# Altium PCB foxbms2-master.PcbDoc (part 1 of 11) (continued)
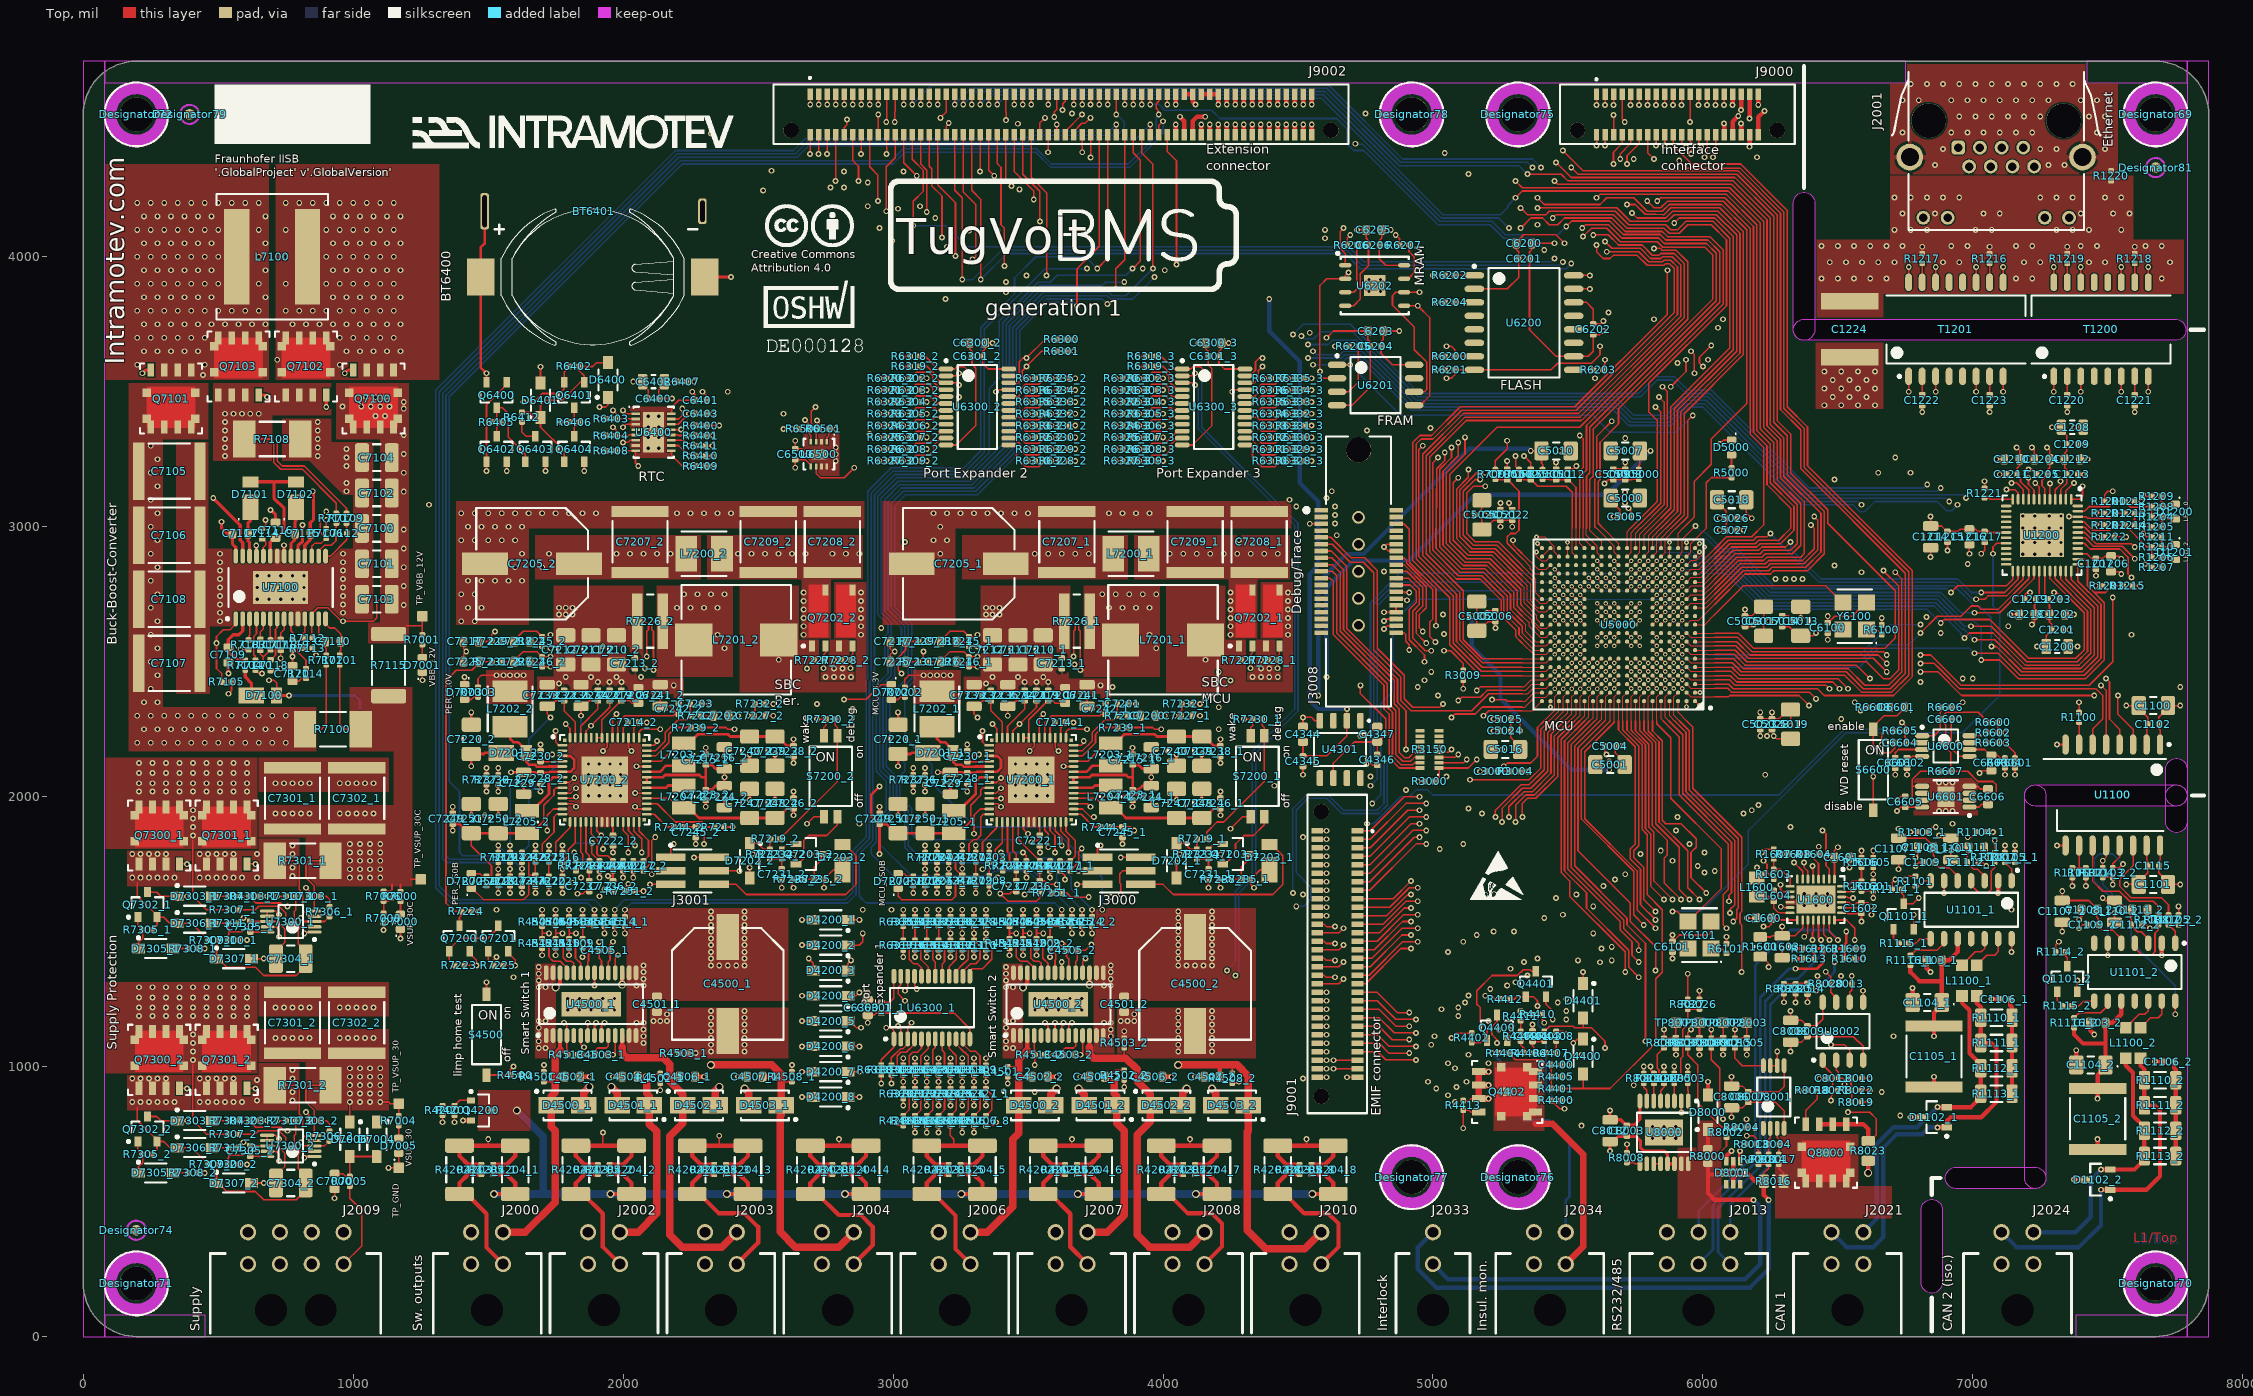
[diagram p0: Top view]
## Design rules (kind name [scope] priority, off if disabled: settings) (continued)
RoomDefinition smart-switches [InComponentClass('smart-switches')] p18: confinementstyle=ConfineIn formatcopy=TRUE lockcomponents=FALSE outline 1300,925 1662.5,925 1662.5,1331.25 1300,1331.25
RoomDefinition smart-switch2 [InComponentClass('smart-switch2')] p19: confinementstyle=ConfineIn formatcopy=TRUE lockcomponents=FALSE outline 3393.75,787.5 4381.25,787.5 4381.25,1593.75 3393.75,1593.75
RoomDefinition sensor-hum-temp [InComponentClass('sensor-hum-temp')] p20: confinementstyle=ConfineIn formatcopy=TRUE lockcomponents=FALSE outline 2800,3406.25 2612.5,3406.25 2612.5,3187.5 2800,3187.5
RoomDefinition rs232-rs485-transceiver [InComponentClass('rs232-rs485-transceiver')] p21: confinementstyle=ConfineIn formatcopy=TRUE lockcomponents=FALSE outline 6656.25,1831.25 6150,1831.25 6150,1375 6656.25,1375
RoomDefinition port-expanders [InComponentClass('port-expanders')] p22: confinementstyle=ConfineIn formatcopy=TRUE lockcomponents=FALSE outline 3687.5,3625 3687.5,3718.75 3562.5,3718.75 3562.5,3625
RoomDefinition port-expander3 [InComponentClass('port-expander3')] p23: confinementstyle=ConfineIn formatcopy=TRUE lockcomponents=FALSE outline 3812.5,3218.75 4562.5,3218.75 4562.5,3718.75 3812.5,3718.75
RoomDefinition port-expander2 [InComponentClass('port-expander2')] p24: confinementstyle=ConfineIn formatcopy=TRUE lockcomponents=FALSE outline 2937.5,3218.75 3687.5,3218.75 3687.5,3718.75 2937.5,3718.75
RoomDefinition port-expander1 [InComponentClass('port-expander1')] p25: confinementstyle=ConfineIn formatcopy=TRUE lockcomponents=FALSE outline 3368.75,843.75 3368.75,1593.75 2868.75,1593.75 2868.75,843.75
RoomDefinition mram [InComponentClass('mram')] p26: confinementstyle=ConfineIn formatcopy=TRUE lockcomponents=FALSE outline 4631.25,4137.5 4631.25,3762.5 4937.5,3762.5 4937.5,4137.5
RoomDefinition fram [InComponentClass('fram')] p27: confinementstyle=ConfineIn formatcopy=TRUE lockcomponents=FALSE outline 4587.5,3762.5 4587.5,3406.25 4987.5,3406.25 4987.5,3762.5
RoomDefinition flash [InComponentClass('flash')] p28: confinementstyle=ConfineIn formatcopy=TRUE lockcomponents=FALSE outline 4993.75,3531.25 5656.25,3531.25 5656.25,4087.5 4993.75,4087.5
RoomDefinition contactor-feedback [InComponentClass('contactor-feedback')] p29: confinementstyle=ConfineIn formatcopy=TRUE lockcomponents=FALSE outline 1300,756.25 1662.5,756.25 1662.5,918.75 1300,918.75
RoomDefinition can-transceiver2 [InComponentClass('can-transceiver2')] p30: confinementstyle=ConfineIn formatcopy=TRUE lockcomponents=FALSE outline 7793.75,500 7793.75,1762.5 7275,1762.5 7275,500
RoutingLayers RoutingLayers_mcu_fanout_supply [InNetClass('MCU_Supply')] p1: top layer_v5=FALSE mid layer 1_v5=FALSE mid layer 2_v5=FALSE mid layer 3_v5=FALSE mid layer 4_v5=FALSE mid layer 5_v5=FALSE mid layer 6_v5=FALSE bottom layer_v5=FALSE
RoutingLayers RoutingLayers_mcu_fanout [WithinRoom('mcu_fanout')] p2: top layer_v5=TRUE mid layer 1_v5=FALSE mid layer 2_v5=TRUE mid layer 3_v5=TRUE mid layer 4_v5=TRUE mid layer 5_v5=FALSE mid layer 6_v5=TRUE bottom layer_v5=TRUE
RoutingLayers [All] p3: top layer_v5=TRUE mid layer 1_v5=TRUE mid layer 2_v5=TRUE mid layer 3_v5=TRUE mid layer 4_v5=TRUE mid layer 5_v5=TRUE mid layer 6_v5=TRUE bottom layer_v5=TRUE
RoutingVias RoutingVias_mcu_fanout [WithinRoom('mcu_fanout')] p1: holewidth=7.87 width=17.72 viastyle="Through Hole" minholewidth=7.87 minwidth=17.72 maxholewidth=7.87 maxwidth=17.72 viatemplateguid#1={D775B127-D53E-42CF-93DC-9A64D87A49E9} viatemplatename#1=0.2mm_tented
RoutingVias [All] p2: holewidth=8 width=17.72 viastyle="Through Hole" minholewidth=8 minwidth=17.72 maxholewidth=39.37 maxwidth=275.59 useviatemplates=TRUE viatemplateguid#1={D775B127-D53E-42CF-93DC-9A64D87A49E9} viatemplateguid#2={ACFF27C5-D917-4C85-B3F7-E9B7AA9FE652} viatemplateguid#3={C110B271-AF69-4746-A706-784B30023742} viatemplateguid#4={30BBC62A-55F5-47CD-8429-89646579BEFB} viatemplateguid#5={A00D4933-6D51-4761-AFCF-71602C7FDD30} viatemplateguid#6={2565D6CF-D0DA-4CF0-8ED5-0FA5FF358BA5} viatemplateguid#7={31051AAE-1368-46AA-BCC9-B00C697D549C} viatemplatename#1=0.2mm_tented viatemplatename#2=0.3mm_tented viatemplatename#3=0.4mm_tented viatemplatename#4=0.5mm_tented viatemplatename#5=0.6mm_tented viatemplatename#6=0.8mm_tented viatemplatename#7=1.0mm_tented
SMDEntry [All] p1: side=TRUE corner=TRUE anyangle=FALSE
SMDToCorner [All] p1: distance=40000
SilkToSolderMaskClearance [IsPad] p1: minsilkscreentomaskgap=4 clearancetoexposedcopper=FALSE
SolderMaskExpansion SolderMaskExpansion_VIAs [IsVia] p1: expansion=-393.7 istentingtop=FALSE // Cover all Vias
SolderMaskExpansion [All] p2: expansion=2 istentingtop=FALSE
UnRoutedNet [All] p1: checkbadconnections=TRUE
Width Width_mcu_fanout [WithinRoom('mcu_fanout')] p1: maxlimit=4 minlimit=4 preferedwidth=4
Width [All] p2: maxlimit=60 minlimit=6 preferedwidth=6
16 further rules are at their usual default settings.

## Classes and differential pairs
net class PE_IO: COM_IO.COM_IO_PE.IO0_0_1 COM_IO.COM_IO_PE.IO0_1_1 COM_IO.COM_IO_PE.IO0_2_1 COM_IO.COM_IO_PE.IO0_3_1 COM_IO.COM_IO_PE.IO0_4_1 COM_IO.COM_IO_PE.IO0_5_1 COM_IO.COM_IO_PE.IO0_6_1 COM_IO.COM_IO_PE.IO0_7_1 COM_IO.COM_IO_PE.IO1_0_1 COM_IO.COM_IO_PE.IO1_1_1 COM_IO.COM_IO_PE.IO1_2_1 COM_IO.COM_IO_PE.IO1_3_1 COM_IO.COM_IO_PE.IO1_4_1 COM_IO.COM_IO_PE.IO1_5_1 COM_IO.COM_IO_PE.IO1_6_1 COM_IO.COM_IO_PE.IO1_7_1 IODEV_IO.CONT_FB_IO.IO0_0_1 IODEV_IO.CONT_FB_IO.IO0_1_1 IODEV_IO.CONT_FB_IO.IO0_2_1 IODEV_IO.CONT_FB_IO.IO0_3_1 IODEV_IO.CONT_FB_IO.IO0_4_1 IODEV_IO.CONT_FB_IO.IO0_5_1 IODEV_IO.CONT_FB_IO.IO0_6_1 IODEV_IO.CONT_FB_IO.IO0_7_1 IODEV_IO.CONT_FB_IO.IO1_0_1 IODEV_IO.CONT_FB_IO.IO1_1_1 IODEV_IO.CONT_FB_IO.IO1_2_1 IODEV_IO.CONT_FB_IO.IO1_3_1 IODEV_IO.CONT_FB_IO.IO1_4_1 IODEV_IO.CONT_FB_IO.IO1_5_1 IODEV_IO.CONT_FB_IO.IO1_6_1 IODEV_IO.CONT_FB_IO.IO1_7_1 PER_IO.\SE_RESET_1 PER_IO.PE_IO3.IO0_1_1 PER_IO.PE_IO3.IO0_2_1 PER_IO.PE_IO3.IO0_3_1 PER_IO.PE_IO3.IO0_4_1 PER_IO.PE_IO3.IO0_5_1 PER_IO.PE_IO3.IO0_6_1 PER_IO.PE_IO3.IO0_7_1 PER_IO.PE_IO3.IO1_0_1 PER_IO.PE_IO3.IO1_1_1 PER_IO.PE_IO3.IO1_2_1 PER_IO.PE_IO3.IO1_3_1 PER_IO.PE_IO3.IO1_4_1 PER_IO.PE_IO3.IO1_5_1 PER_IO.PE_IO3.IO1_6_1 PER_IO.PE_IO3.IO1_7_1
net class ETHERNET_INT: A_10_N A_10_P B_10_N B_10_P C_10_N C_10_P D_10_N D_10_P
net class CON_EXTENSION: \DBG_RESET_1 FLASH_SPI.CLK_1 FLASH_SPI.MISO_1 FLASH_SPI.MOSI_1 INTERLOCK_IO.IL_ENABLE_EXT_1 INTERLOCK_IO.IL_STATE_1 IODEV_IO.SMSW1_IN1 IODEV_IO.SMSW1_IN2 IODEV_IO.SMSW1_IN3 IODEV_IO.SMSW1_IN4 IODEV_IO.SMSW2_IN1 IODEV_IO.SMSW2_IN2 IODEV_IO.SMSW2_IN3 IODEV_IO.SMSW2_IN4 IODEV_IO.SMSW_LHM_1 MCU_ADC.AD1EVT_1 MCU_ADC.AD1IN24 MCU_ADC.AD1IN25 MCU_ADC.AD1IN26 MCU_ADC.AD1IN27 MCU_ADC.AD2EVT_1 MCU_ADC.AD2IN16 MCU_ADC.AD2IN17 MCU_ADC.AD2IN18 MCU_ADC.AD2IN19 MCU_CAN3.RX_1 MCU_CAN3.TX_1 MCU_CAN4.RX_1 MCU_CAN4.TX_1 MCU_DCC.1_1 MCU_ECAP.4_1 MCU_ECAP.5_1 MCU_EPWM1.A_1 MCU_EPWM1.B_1 MCU_FRAY1.RX_1 MCU_FRAY1.TX_1 MCU_FRAY1.TXEN_1 MCU_FRAY2.RX_1 MCU_FRAY2.TX_1 MCU_FRAY2.TXEN_1 MCU_GIOA.7_1 MCU_GIOX.A4_1 MCU_GIOX.A11_1 MCU_GIOX.A14_1 MCU_GIOX.B3_1 MCU_GIOX.H4_1 MCU_GIOX.J1_1 MCU_GIOX.J4_1 MCU_GIOX.K19_1 MCU_GIOX.M16_1 MCU_GIOX.N16_1 MCU_GIOX.P1_1 MCU_GIOX.P2_1 MCU_I2C1.SCL_1 MCU_I2C1.SDA_1 MCU_LIN1.RX_1 MCU_LIN1.TX_1 MCU_LIN2.RX_1 MCU_LIN2.TX_1 MCU_RST.\PORRST_1 MCU_SCI3.RX_1 MCU_SCI3.TX_1 MCU_SPI3.\CS4_1 MCU_SPI3.\CS5_1 MCU_SPI5.\CS0_1 MCU_SPI5.\CS1_1 MCU_SPI5.\CS2_1 MCU_SPI5.\CS3_1 MCU_SPI5.CLK_1 MCU_SPI5.SIMO0_1 MCU_SPI5.SIMO1_1 MCU_SPI5.SIMO2_1 MCU_SPI5.SIMO3_1 MCU_SPI5.SOMI0_1 MCU_SPI5.SOMI1_1 MCU_SPI5.SOMI2_1 MCU_SPI5.SOMI3_1 PER_IO.\WW_ENABLE_1 PER_IO.\WW_RESETIN_1 SUPPLY_IO.\SBC_PER_PGOOD_1 SUPPLY_IO.\SBC_PER_RESET_1 SUPPLY_IO.SBC_MCU_FS0B_1 SUPPLY_IO.SBC_PER_FS0B_1
net class CON_IF: MCU_GIOA.2_1 MCU_GIOA.3_1 MCU_GIOA.4_1 MCU_GIOA.6_1 MCU_SPI1.\CS1_1 MCU_SPI1.\CS2_1 MCU_SPI1.\CS3_1 MCU_SPI1.\CS4_1 MCU_SPI1.\CS5_1 MCU_SPI1.CLK_1 MCU_SPI1.SIMO0_1 MCU_SPI1.SIMO1_1 MCU_SPI1.SOMI0_1 MCU_SPI1.SOMI1_1 MCU_SPI4.\CS0_1 MCU_SPI4.\CS1_1 MCU_SPI4.\CS2_1 MCU_SPI4.\CS3_1 MCU_SPI4.\CS4_1 MCU_SPI4.\CS5_1 MCU_SPI4.CLK_1 MCU_SPI4.SIMO_1 MCU_SPI4.SOMI_1 PER_IO.PE_IO3.IO1_0_1 PER_IO.PE_IO3.IO1_1_1 PER_IO.PE_IO3.IO1_2_1 PER_IO.PE_IO3.IO1_3_1 PER_IO.PE_IO3.IO1_4_1 PER_IO.PE_IO3.IO1_5_1 PER_IO.PE_IO3.IO1_6_1 PER_IO.PE_IO3.IO1_7_1
net class MCU_MII: MCU_MII.RXCLK_1 MCU_MII.RXCTRL_1 MCU_MII.RXD0_1 MCU_MII.RXD1_1 MCU_MII.RXD2_1 MCU_MII.RXD3_1 MCU_MII.TXCLK_1 MCU_MII.TXD0_1 MCU_MII.TXD1_1 MCU_MII.TXD2_1 MCU_MII.TXD3_1 MCU_MII.TXEN_1 NetU1200_40
net class ETHERNET_EXT: ETHERNET.LED_GN_A_1 ETHERNET.LED_GN_C_1 ETHERNET.LED_YE_A_1 ETHERNET.LED_YE_C_1 ETHERNET.RX1_1_N ETHERNET.RX1_1_P ETHERNET.RX2_1_N ETHERNET.RX2_1_P ETHERNET.SHIELD_1 ETHERNET.TX1_1_N ETHERNET.TX1_1_P ETHERNET.TX2_1_N ETHERNET.TX2_1_P NetR1216_2 NetR1217_2 NetR1218_2 NetR1219_2 SHIELD
net class iso_CAN2: \CAN2.STB_iso_3 CAN2.EN_iso_3 CAN2.RX_iso_3 CAN2.TX_iso_3 GND_ext iso_CAN2.H_1 iso_CAN2.L_1 iso_CAN2.VSUP_1 NetC1106_2_2 NetL1100_2_2 NetL1100_2_3 NetQ1101_2_D NetQ1101_2_G NetR1105_2_1 NetR1108_2_2 NetR1115_2_2 NetR1116_2_1 NetU1101_2_7 SEL_3 VISO_ext
net class MCU_JTAG: \DBG_RESET_1 \TRST_13 MCU_JTAG.\TRST_1 MCU_JTAG.RTCK_1 MCU_JTAG.TCK_1 MCU_JTAG.TDI_1 MCU_JTAG.TDO_1 MCU_JTAG.TMS_1 TCK_13 TDI_13 TMS_13
channel class supply-protection: supply-protection-30 supply-protection-30C
component class supply-protection-30C: C7300_1 C7301_1 C7302_1 C7303_1 C7304_1 C7305_1 D7303_1 D7305_1 D7306_1 D7307_1 Q7300_1 Q7301_1 Q7302_1 R7301_1 R7303_1 R7304_1 R7305_1 R7306_1 R7307_1 R7308_1 R7309_1 R7310_1 R7311_1 U7300_1
component class connectors-interface: J9000
component class connectors-extension: J9001 J9002
net class Supply_All: GND MCU_1.1V MCU_1.2V MCU_1.2V_LDO MCU_2.5V MCU_3.3V MCU_5.0V_LDO MCU_5.74V PER_1.2V_0 PER_1.2V_1 PER_3.3V PER_3.3V_LDO PER_5.0V PER_5.0V_LDO PER_5.74V
net class MCU_LIN: MCU_LIN1.RX_1 MCU_LIN1.TX_1 MCU_LIN2.RX_1 MCU_LIN2.TX_1
net class MCU_I2C: MCU_I2C1.SCL_1 MCU_I2C1.SDA_1
net class MCU_SPI5: MCU_SPI5.\CS0_1 MCU_SPI5.\CS1_1 MCU_SPI5.\CS2_1 MCU_SPI5.\CS3_1 MCU_SPI5.CLK_1 MCU_SPI5.SIMO0_1 MCU_SPI5.SIMO1_1 MCU_SPI5.SIMO2_1 MCU_SPI5.SIMO3_1 MCU_SPI5.SOMI0_1 MCU_SPI5.SOMI1_1 MCU_SPI5.SOMI2_1 MCU_SPI5.SOMI3_1
net class MCU_SPI4: MCU_SPI4.\CS0_1 MCU_SPI4.\CS1_1 MCU_SPI4.\CS2_1 MCU_SPI4.\CS3_1 MCU_SPI4.\CS4_1 MCU_SPI4.\CS5_1 MCU_SPI4.CLK_1 MCU_SPI4.SIMO_1 MCU_SPI4.SOMI_1
net class MCU_SPI3: FLASH_SPI.\CS_1 FLASH_SPI.CLK_1 FLASH_SPI.MISO_1 FLASH_SPI.MOSI_1 FRAM_SPI.\CS_1 MCU_SPI3.\CS4_1 MCU_SPI3.\CS5_1 MCU_SPI3.\sCS6_1
net class MCU_SPI2: MCU_SPI2.\CS0_1 MCU_SPI2.\CS1_1 MCU_SPI2.\sCS2_1 MCU_SPI2.CLK_1 MCU_SPI2.SIMO_1 MCU_SPI2.SOMI_1
net class MCU_SPI1: MCU_SPI1.\CS1_1 MCU_SPI1.\CS2_1 MCU_SPI1.\CS3_1 MCU_SPI1.\CS4_1 MCU_SPI1.\CS5_1 MCU_SPI1.CLK_1 MCU_SPI1.SIMO0_1 MCU_SPI1.SIMO1_1 MCU_SPI1.SOMI0_1 MCU_SPI1.SOMI1_1
net class MCU_FRAY: MCU_FRAY1.RX_1 MCU_FRAY1.TX_1 MCU_FRAY1.TXEN_1 MCU_FRAY2.RX_1 MCU_FRAY2.TX_1 MCU_FRAY2.TXEN_1
net class MCU_CAN: MCU_CAN1.RX_1 MCU_CAN1.TX_1 MCU_CAN2.RX_1 MCU_CAN2.TX_1 MCU_CAN3.RX_1 MCU_CAN3.TX_1 MCU_CAN4.RX_1 MCU_CAN4.TX_1
net class MCU_ADC: MCU_ADC.AD1EVT_1 MCU_ADC.AD1IN0 MCU_ADC.AD1IN1 MCU_ADC.AD1IN2 MCU_ADC.AD1IN3 MCU_ADC.AD1IN4 MCU_ADC.AD1IN5 MCU_ADC.AD1IN6 MCU_ADC.AD1IN7 MCU_ADC.AD1IN8 MCU_ADC.AD1IN9 MCU_ADC.AD1IN10 MCU_ADC.AD1IN11 MCU_ADC.AD1IN12 MCU_ADC.AD1IN13 MCU_ADC.AD1IN14 MCU_ADC.AD1IN15 MCU_ADC.AD1IN16 MCU_ADC.AD1IN17 MCU_ADC.AD1IN18 MCU_ADC.AD1IN19 MCU_ADC.AD1IN20 MCU_ADC.AD1IN21 MCU_ADC.AD1IN22 MCU_ADC.AD1IN23 MCU_ADC.AD1IN24 MCU_ADC.AD1IN25 MCU_ADC.AD1IN26 MCU_ADC.AD1IN27 MCU_ADC.AD1IN28 MCU_ADC.AD1IN29 MCU_ADC.AD1IN30 MCU_ADC.AD1IN31 MCU_ADC.AD2EVT_1 MCU_ADC.AD2IN16 MCU_ADC.AD2IN17 MCU_ADC.AD2IN18 MCU_ADC.AD2IN19 MCU_ADC.AD2IN20 MCU_ADC.AD2IN21 MCU_ADC.AD2IN22 MCU_ADC.AD2IN23 MCU_ADC.AD2IN24
net class MCU_ETM: MCU_ETM.CLKIN_1 MCU_ETM.CLKOUT_1 MCU_ETM.CTL_1 MCU_ETM.DATA0_1 MCU_ETM.DATA1_1 MCU_ETM.DATA2_1 MCU_ETM.DATA3_1 MCU_ETM.DATA4_1 MCU_ETM.DATA5_1 MCU_ETM.DATA6_1 MCU_ETM.DATA7_1
net class MCU_EMIF: MCU_EMIF.\CAS_1 MCU_EMIF.\CS0_1 MCU_EMIF.\CS2_1 MCU_EMIF.\CS3_1 MCU_EMIF.\CS4_1 MCU_EMIF.\DQM0_1 MCU_EMIF.\DQM1_1 MCU_EMIF.\OE_1 MCU_EMIF.\RAS_1 MCU_EMIF.\WAIT_1 MCU_EMIF.\WE_1 MCU_EMIF.ADDR0 MCU_EMIF.ADDR1 MCU_EMIF.ADDR2 MCU_EMIF.ADDR3 MCU_EMIF.ADDR4 MCU_EMIF.ADDR5 MCU_EMIF.ADDR6 MCU_EMIF.ADDR7 MCU_EMIF.ADDR8 MCU_EMIF.ADDR9 MCU_EMIF.ADDR10 MCU_EMIF.ADDR11 MCU_EMIF.ADDR12 MCU_EMIF.ADDR13 MCU_EMIF.ADDR14 MCU_EMIF.ADDR15 MCU_EMIF.ADDR16 MCU_EMIF.ADDR17 MCU_EMIF.ADDR18 MCU_EMIF.ADDR19 MCU_EMIF.ADDR20 MCU_EMIF.ADDR21 MCU_EMIF.BA0_1 MCU_EMIF.BA1_1 MCU_EMIF.CKE_1 MCU_EMIF.CLK_1 MCU_EMIF.DATA0 MCU_EMIF.DATA1 MCU_EMIF.DATA2 MCU_EMIF.DATA3 MCU_EMIF.DATA4 MCU_EMIF.DATA5 MCU_EMIF.DATA6 MCU_EMIF.DATA7 MCU_EMIF.DATA8 MCU_EMIF.DATA9 MCU_EMIF.DATA10 MCU_EMIF.DATA11 MCU_EMIF.DATA12 MCU_EMIF.DATA13 MCU_EMIF.DATA14 MCU_EMIF.DATA15
net class MCU_DMM: MCU_DMM.\ENA_1 MCU_DMM.CLK_1 MCU_DMM.DATA0_1 MCU_DMM.DATA1_1 MCU_DMM.SYNC_1
net class MCU_Supply: ADREFHI GND MCU_1.2V MCU_3.3V VCCAD_5.0V VCCPLL_1.2V
component class oscillator-20MHz: C6100 R6100 Y6100
component class interlock: C8000 C8001 C8002 C8003 C8004 C8005 C8006 C8007 C8008 C8009 C8010 C8011 C8012 C8013 C8014 D8000 D8001 Q8000 R8000 R8001 R8002 R8003 R8004 R8005 R8006 R8007 R8008 R8009 R8010 R8011 R8012 R8013 R8014 R8015 R8016 R8017 R8018 R8019 R8020 R8021 R8022 R8023 R8024 R8025 R8026 R8027 TP8000 TP8001 TP8002 TP8003 U8000 U8001 U8002
channel class smart-switch: smart-switch1 smart-switch2
channel class sbc-base: sbc-mcu sbc-per
channel class port-expander: port-expander1 port-expander2 port-expander3
channel class contactor-feedback-divider: contactor-feedback-divider1 contactor-feedback-divider2 contactor-feedback-divider3 contactor-feedback-divider4 contactor-feedback-divider5 contactor-feedback-divider6 contactor-feedback-divider7 contactor-feedback-divider8
channel class can-transceiver: can-transceiver1 can-transceiver2
component class window-watchdog: C6600 C6601 C6602 C6603 C6604 C6605 C6606 D6601 R6600 R6601 R6602 R6603 R6604 R6605 R6606 R6607 R6608 S6600 U6600 U6601
component class vref-5.0V: C4344 C4345 C4346 C4347 U4301
component class supply: C7000 C7001 D7000 D7001 D7002 D7003 D7004 D7005 D7006 R7000 R7001 R7002 R7003 R7004 R7005 R7006 R7007 R7008 TP_GND TP_VBB_12V TP_VSUP_30 TP_VSUP_30C
component class supply-protection-30: C7300_2 C7301_2 C7302_2 C7303_2 C7304_2 C7305_2 D7303_2 D7305_2 D7306_2 D7307_2 Q7300_2 Q7301_2 Q7302_2 R7301_2 R7303_2 R7304_2 R7305_2 R7306_2 R7307_2 R7308_2 R7309_2 R7310_2 R7311_2 U7300_2
component class smart-switches: R4500 S4500
component class smart-switch2: C4500_2 C4501_2 C4502_2 C4503_2 C4504_2 C4505_2 C4506_2 C4507_2 D4500_2 D4501_2 D4502_2 D4503_2 R4501_2 R4502_2 R4503_2 R4504_2 R4505_2 R4506_2 R4507_2 R4508_2 R4509_2 R4510_2 R4511_2 R4512_2 R4513_2 R4514_2 R4515_2 R4516_2 R4517_2 U4500_2
component class smart-switch1: C4500_1 C4501_1 C4502_1 C4503_1 C4504_1 C4505_1 C4506_1 C4507_1 D4500_1 D4501_1 D4502_1 D4503_1 R4501_1 R4502_1 R4503_1 R4504_1 R4505_1 R4506_1 R4507_1 R4508_1 R4509_1 R4510_1 R4511_1 R4512_1 R4513_1 R4514_1 R4515_1 R4516_1 R4517_1 U4500_1
component class sensor-hum-temp: C6500 R6500 R6501 U6500
component class sbcs: C7200 C7201 C7202 C7203 Q7200 Q7201 R7200 R7201 R7202 R7203 R7204 R7205 R7206 R7208 R7209 R7210 R7211 R7212 R7213 R7214 R7215 R7216 R7217 R7218 R7220 R7221 R7222 R7223 R7224 R7225
component class sbc-per: C7205_2 C7206_2 C7207_2 C7208_2 C7209_2 C7210_2 C7211_2 C7212_2 C7213_2 C7214_2 C7215_2 C7216_2 C7217_2 C7218_2 C7219_2 C7220_2 C7221_2 C7222_2 C7223_2 C7224_2 C7225_2 C7226_2 C7227_2 C7228_2 C7229_2 C7230_2 C7231_2 C7232_2 C7233_2 C7234_2 C7235_2 C7236_2 C7237_2 C7238_2 C7239_2 C7240_2 C7241_2 C7242_2 C7243_2 C7244_2 C7245_2 C7246_2 C7247_2 C7248_2 C7249_2 C7250_2 C7251_2 D7200_2 D7201_2 D7202_2 D7203_2 L7200_2 L7201_2 L7202_2 L7203_2 L7204_2 L7205_2 Q7202_2 Q7203_2 R7207_2 R7219_2 R7226_2 R7227_2 R7228_2 R7229_2 R7230_2 R7231_2 R7232_2 R7233_2 R7234_2 R7235_2 R7236_2 R7237_2 R7238_2 R7239_2 R7240_2 R7241_2 R7242_2 R7243_2 R7244_2 R7245_2 R7246_2 R7247_2 R7248_2 R7249_2 R7250_2 R7251_2 S7200_2 U7200_2
component class sbc-mcu: C7205_1 C7206_1 C7207_1 C7208_1 C7209_1 C7210_1 C7211_1 C7212_1 C7213_1 C7214_1 C7215_1 C7216_1 C7217_1 C7218_1 C7219_1 C7220_1 C7221_1 C7222_1 C7223_1 C7224_1 C7225_1 C7226_1 C7227_1 C7228_1 C7229_1 C7230_1 C7231_1 C7232_1 C7233_1 C7234_1 C7235_1 C7236_1 C7237_1 C7238_1 C7239_1 C7240_1 C7241_1 C7242_1 C7243_1 C7244_1 C7245_1 C7246_1 C7247_1 C7248_1 C7249_1 C7250_1 C7251_1 D7200_1 D7201_1 D7202_1 D7203_1 L7200_1 L7201_1 L7202_1 L7203_1 L7204_1 L7205_1 Q7202_1 Q7203_1 R7207_1 R7219_1 R7226_1 R7227_1 R7228_1 R7229_1 R7230_1 R7231_1 R7232_1 R7233_1 R7234_1 R7235_1 R7236_1 R7237_1 R7238_1 R7239_1 R7240_1 R7241_1 R7242_1 R7243_1 R7244_1 R7245_1 R7246_1 R7247_1 R7248_1 R7249_1 R7250_1 R7251_1 S7200_1 U7200_1
component class rtc: BT6400 BT6401 C6400 C6401 C6402 C6403 D6400 D6401 Q6400 Q6401 Q6402 Q6403 Q6404 R6400 R6401 R6402 R6403 R6404 R6405 R6406 R6407 R6408 R6409 R6410 R6411 R6412 U6400
component class rs232-rs485-transceiver: C1600 C1601 C1602 C1603 C1604 L1600 R1600 R1601 R1602 R1603 R1604 R1605 R1606 R1607 R1608 R1609 R1610 R1611 R1612 R1613 U1600
component class port-expanders: R6300 R6301
component class port-expander3: C6300_3 C6301_3 R6302_3 R6303_3 R6304_3 R6305_3 R6306_3 R6307_3 R6308_3 R6309_3 R6310_3 R6311_3 R6312_3 R6313_3 R6314_3 R6315_3 R6316_3 R6317_3 R6318_3 R6319_3 R6320_3 R6321_3 R6322_3 R6323_3 R6324_3 R6325_3 R6326_3 R6327_3 R6328_3 R6329_3 R6330_3 R6331_3 R6332_3 R6333_3 R6334_3 R6335_3 U6300_3
component class port-expander2: C6300_2 C6301_2 R6302_2 R6303_2 R6304_2 R6305_2 R6306_2 R6307_2 R6308_2 R6309_2 R6310_2 R6311_2 R6312_2 R6313_2 R6314_2 R6315_2 R6316_2 R6317_2 R6318_2 R6319_2 R6320_2 R6321_2 R6322_2 R6323_2 R6324_2 R6325_2 R6326_2 R6327_2 R6328_2 R6329_2 R6330_2 R6331_2 R6332_2 R6333_2 R6334_2 R6335_2 U6300_2
component class port-expander1: C6300_1 C6301_1 R6302_1 R6303_1 R6304_1 R6305_1 R6306_1 R6307_1 R6308_1 R6309_1 R6310_1 R6311_1 R6312_1 R6313_1 R6314_1 R6315_1 R6316_1 R6317_1 R6318_1 R6319_1 R6320_1 R6321_1 R6322_1 R6323_1 R6324_1 R6325_1 R6326_1 R6327_1 R6328_1 R6329_1 R6330_1 R6331_1 R6332_1 R6333_1 R6334_1 R6335_1 U6300_1
component class oscillator-25MHz: C6101 R6101 Y6101
component class mram: C6205 C6206 R6206 R6207 U6202
component class mcu-supply: C5000 C5001 C5002 C5003 C5004 C5005 C5006 C5007 C5008 C5009 C5010 C5011 C5012 C5013 C5014 C5015 C5016 C5017 C5018 C5019 C5020 C5021 C5022 C5023 C5024 C5025 C5026 C5027 C5028 FB5000 FB5001 FB5002
component class mcu-com-gpio-tim: D5000 R5000
component class mcu-adc: U5000
component class insulation-monitoring: C4400 C4401 D4400 D4401 Q4400 Q4401 Q4402 R4400 R4401 R4402 R4403 R4404 R4405 R4406 R4407 R4408 R4409 R4410 R4411 R4412 R4413
component class fram: C6203 C6204 R6205 U6201
component class flash: C6200 C6201 C6202 R6200 R6201 R6202 R6203 R6204 U6200
component class ethernet-phy: C1200 C1201 C1202 C1203 C1204 C1205 C1206 C1207 C1208 C1209 C1210 C1211 C1212 C1213 C1214 C1215 C1216 C1217 C1218 C1219 C1220 C1221 C1222 C1223 C1224 D1200 D1201 R1200 R1201 R1202 R1203 R1204 R1205 R1206 R1207 R1208 R1209 R1210 R1211 R1212 R1213 R1214 R1215 R1216 R1217 R1218 R1219 R1220 R1221 R1222 T1200 T1201 U1200
component class digital-isolator-can: C1100 C1101 C1102 C1115 R1100 R1102 R1106 U1100
component class contactor-feedback: Q4200 R4200 R4201
component class contactor-feedback-divider8: D4200_8 R4202_8 R4203_8 R4204_8 R4205_8 R4206_8
component class contactor-feedback-divider7: D4200_7 R4202_7 R4203_7 R4204_7 R4205_7 R4206_7
component class contactor-feedback-divider6: D4200_6 R4202_6 R4203_6 R4204_6 R4205_6 R4206_6
component class contactor-feedback-divider5: D4200_5 R4202_5 R4203_5 R4204_5 R4205_5 R4206_5
component class contactor-feedback-divider4: D4200_4 R4202_4 R4203_4 R4204_4 R4205_4 R4206_4
component class contactor-feedback-divider3: D4200_3 R4202_3 R4203_3 R4204_3 R4205_3 R4206_3
component class contactor-feedback-divider2: D4200_2 R4202_2 R4203_2 R4204_2 R4205_2 R4206_2
component class contactor-feedback-divider1: D4200_1 R4202_1 R4203_1 R4204_1 R4205_1 R4206_1
component class connectors-internal: C3000 J3000 J3001 J3008 R3000 R3004 R3009 R3150
component class connectors-external: J2000 J2001 J2002 J2003 J2004 J2006 J2007 J2008 J2009 J2010 J2013 J2021 J2024 J2033 J2034
component class can: R1101
component class can-transceiver2: C1103_2 C1104_2 C1105_2 C1106_2 C1107_2 C1108_2 C1109_2 C1110_2 C1111_2 C1112_2 D1102_2 L1100_2 Q1101_2 R1103_2 R1104_2 R1105_2 R1107_2 R1108_2 R1110_2 R1111_2 R1112_2 R1113_2 R1114_2 R1115_2 R1116_2 U1101_2
component class can-transceiver1: C1103_1 C1104_1 C1105_1 C1106_1 C1107_1 C1108_1 C1109_1 C1110_1 C1111_1 C1112_1 D1102_1 L1100_1 Q1101_1 R1103_1 R1104_1 R1105_1 R1107_1 R1108_1 R1110_1 R1111_1 R1112_1 R1113_1 R1114_1 R1115_1 R1116_1 U1101_1
component class buck-boost-converter: C7100 C7101 C7102 C7103 C7104 C7105 C7106 C7107 C7108 C7109 C7110 C7111 C7112 C7113 C7114 C7115 C7116 C7117 C7118 C7119 C7120 D7100 D7101 D7102 L7100 Q7100 Q7101 Q7102 Q7103 R7100 R7101 R7102 R7103 R7104 R7105 R7106 R7107 R7108 R7109 R7110 R7111 R7112 R7113 R7114 R7115 U7100
differential pair D_10: +D_10_P -D_10_N
differential pair C_10: +C_10_P -C_10_N
differential pair B_10: +B_10_P -B_10_N
differential pair A_10: +A_10_P -A_10_N
differential pair ETHERNET.TX2_1: +ETHERNET.TX2_1_P -ETHERNET.TX2_1_N
differential pair ETHERNET.TX1_1: +ETHERNET.TX1_1_P -ETHERNET.TX1_1_N
differential pair ETHERNET.RX2_1: +ETHERNET.RX2_1_P -ETHERNET.RX2_1_N
differential pair ETHERNET.RX1_1: +ETHERNET.RX1_1_P -ETHERNET.RX1_1_N

## Components (designator, comment, footprint, x,y, rotation, side; value= is the part's Value field where it differs from the comment)
BT6400 "SMTU_1225-1-LF" SMTU_1225-1-LF 1887.5,3925 r0 top locked
BT6401 "BR2477A/HBN" BR2477A-HBN 1975,4168.75 r180 top locked
C1100 "22u/10V" CAPC3216X18N 7668.75,2337.5 r0 top
C1101 "22u/10V" CAPC3216X18N 7668.75,1675 r0 top
C1102 "100n/50V" CAPC1005X06N 7668.75,2268.75 r0 top
C1103_1 "100n/100V" CAPC1608X08N 6856.25,1393.75 r0 top (schematic designator C1103)
C1103_2 "100n/100V" CAPC1608X08N 7462.5,1162.5 r0 top (schematic designator C1103)
C1104_1 "1u/100V" CAPC3216X18N 6831.25,1237.5 r0 top (schematic designator C1104)
C1104_2 "1u/100V" CAPC3216X18N 7437.5,1006.25 r0 top (schematic designator C1104)
C1105_1 "10u/100V" CAPC5750X28N 6856.25,1037.5 r90 top (schematic designator C1105)
C1105_2 "10u/100V" CAPC5750X28N 7462.5,806.25 r90 top (schematic designator C1105)
C1106_1 "4n7/50V" CAPC1005X06N 7118.75,1250 r0 top (schematic designator C1106)
C1106_2 "4n7/50V" CAPC1005X06N 7725,1018.75 r0 top (schematic designator C1106)
C1107_1 "10u/16V" CAPC2012X14N 6725,1806.25 r90 top (schematic designator C1107)
C1107_2 "10u/16V" CAPC2012X14N 7331.25,1575 r90 top (schematic designator C1107)
C1108_1 "1u/50V" CAPC1608X08N 6825,1812.5 r0 top (schematic designator C1108)
C1108_2 "1u/50V" CAPC1608X08N 7431.25,1581.25 r0 top (schematic designator C1108)
C1109_1 "100n/50V" CAPC1005X06N 6837.5,1756.25 r0 top (schematic designator C1109)
C1109_2 "100n/50V" CAPC1005X06N 7443.75,1525 r0 top (schematic designator C1109)
C1110_1 "10u/16V" CAPC2012X14N 6918.75,1806.25 r90 top (schematic designator C1110)
C1110_2 "10u/16V" CAPC2012X14N 7525,1575 r90 top (schematic designator C1110)
C1111_1 "1u/50V" CAPC1608X08N 7012.5,1812.5 r180 top (schematic designator C1111)
C1111_2 "1u/50V" CAPC1608X08N 7618.75,1581.25 r180 top (schematic designator C1111)
C1112_1 "100n/50V" CAPC1005X06N 7000,1756.25 r180 top (schematic designator C1112)
C1112_2 "100n/50V" CAPC1005X06N 7606.25,1525 r180 top (schematic designator C1112)
C1115 "100n/50V" CAPC1005X06N 7668.75,1743.75 r0 top
C1200 "10u/16V" CAPC2012X14N 7312.5,2556.25 r180 top
C1201 "10n/25V" CAPC1005X06N 7312.5,2618.75 r180 top
C1202 "1u/50V" CAPC1608X08N 7312.5,2675 r180 top
C1203 "100n/50V" CAPC1005X06N 7300,2731.25 r180 top
C1204 "1u/50V" CAPC1608X08N 7256.25,3250 r0 top
C1205 "100n/50V" CAPC1005X06N 7256.25,3193.75 r0 top
C1206 "1u/50V" CAPC1608X08N 7512.5,2862.5 r90 top
C1207 "100n/50V" CAPC1005X06N 7456.25,2862.5 r90 top locked
C1208 "10u/16V" CAPC2012X14N 7368.75,3368.75 r180 top
C1209 "10n/25V" CAPC1005X06N 7368.75,3306.25 r180 top
C1210 "1u/50V" CAPC1608X08N 7145.08,3250 r0 top
C1211 "100n/50V" CAPC1005X06N 7145.08,3193.75 r0 top
C1212 "1u/50V" CAPC1608X08N 7368.75,3250 r180 top
C1213 "100n/50V" CAPC1005X06N 7368.75,3193.75 r180 top locked
C1214 "10u/16V" CAPC2012X14N 6843.75,2962.5 r90 top
C1215 "10n/25V" CAPC1005X06N 6906.25,2962.5 r90 top
C1216 "1u/50V" CAPC1608X08N 6987.5,2962.5 r90 top
C1217 "100n/50V" CAPC1005X06N 7043.75,2962.5 r90 top
C1218 "1u/50V" CAPC1608X08N 7200,2675 r0 top
C1219 "100n/50V" CAPC1005X06N 7212.5,2731.25 r0 top
C1220 "100n/50V" CAPC1005X06N 7350,3468.75 r90 top
C1221 "100n/50V" CAPC1005X06N 7600,3468.75 r90 top
C1222 "100n/50V" CAPC1005X06N 6812.5,3468.75 r90 top
C1223 "100n/50V" CAPC1005X06N 7062.5,3468.75 r90 top
C1224 "1n/3000V" CAPC2220(5750)230_N 6543.75,3731.26 r90 top
C1600 "1u/50V" CAPC1608X08N 6225,1550 r180 top locked
C1601 "1u/50V" CAPC1608X08N 6515.21,1775 r0 top
C1602 "100n/50V" CAPC1005X06N 6587.5,1587.5 r90 top
C1603 "4u7/25V" CAPC2012X14N 6293.75,1443.75 r90 top
C1604 "220n/35V" CAPC1005X06N 6262.5,1632.58 r270 top locked
C3000 "100n/50V" CAPC1005X06N 5218.75,2093.75 r0 top
C4344 "1u/50V" CAPC1608X08N 4518.75,2231.25 r270 top
C4345 "100n/50V" CAPC1005X06N 4518.75,2131.25 r90 top
C4346 "100n/50V" CAPC1005X06N 4793.75,2136.17 r90 top
C4347 "1u/50V" CAPC1608X08N 4793.75,2231.25 r270 top
C4400 "150p/50V" CAPC1005X06N 5456.25,1006.25 r180 top
C4401 "150p/50V" CAPC1005X06N 5368.75,1112.5 r270 top
C4500_1 "100µF/63V" ELECTROLYTIC_CAP_PANASONIC_G 2387.5,1306.25 r270 top (schematic designator C4500)
C4500_2 "100µF/63V" ELECTROLYTIC_CAP_PANASONIC_G 4118.75,1306.25 r270 top (schematic designator C4500)
C4501_1 "100n/100V" CAPC1608X08N 2125,1231.25 r90 top (schematic designator C4501)
C4501_2 "100n/100V" CAPC1608X08N 3856.25,1231.25 r90 top (schematic designator C4501)
C4502_1 "10n/100V" CAPC1608X08N 1812.5,962.5 r180 top (schematic designator C4502)
C4502_2 "10n/100V" CAPC1608X08N 3543.75,962.5 r180 top (schematic designator C4502)
C4503_1 "100n/50V" CAPC1005X06N 1918.75,1043.75 r180 top (schematic designator C4503)
C4503_2 "100n/50V" CAPC1005X06N 3650,1043.75 r180 top (schematic designator C4503)
C4504_1 "10n/100V" CAPC1608X08N 2025,962.5 r0 top (schematic designator C4504)
C4504_2 "10n/100V" CAPC1608X08N 3756.25,962.5 r0 top (schematic designator C4504)
C4505_1 "100n/50V" CAPC1005X06N 1931.25,1431.25 r0 top (schematic designator C4505)
C4505_2 "100n/50V" CAPC1005X06N 3662.5,1431.25 r0 top (schematic designator C4505)
C4506_1 "10n/100V" CAPC1608X08N 2237.5,962.5 r180 top (schematic designator C4506)
C4506_2 "10n/100V" CAPC1608X08N 3968.75,962.5 r180 top (schematic designator C4506)
C4507_1 "10n/100V" CAPC1608X08N 2487.5,962.5 r0 top (schematic designator C4507)
C4507_2 "10n/100V" CAPC1608X08N 4181.25,962.5 r0 top (schematic designator C4507)
C5000 "22u/10V" CAPC3216X18N 5712.5,3106.25 r180 top
C5001 "22u/10V" CAPC3216X18N 5656,2118.75 r0 top
C5002 "22u/10V" CAPC3216X18N 5162.5,2668.75 r270 top
C5003 "100n/50V" CAPC1005X06N 6156.25,2650 r90 top
C5004 "100n/50V" CAPC1005X06N 5656,2187.5 r0 top
C5005 "100n/50V" CAPC1005X06N 5712.5,3037.5 r180 top
C5006 "100n/50V" CAPC1005X06N 5231.25,2668.75 r270 top
C5007 "22u/10V" CAPC3216X18N 5712.5,3281.25 r0 top
C5008 "100n/50V" CAPC1005X06N 5712.5,3193.75 r270 top
C5009 "10n/25V" CAPC1005X06N 5668.75,3193.75 r270 top
C5010 "22u/10V" CAPC3216X18N 5456.25,3281.25 r180 top
C5011 "100n/50V" CAPC1005X06N 5456.25,3193.75 r270 top
C5012 "10n/25V" CAPC1005X06N 5500,3193.75 r270 top
C5013 "22u/10V" CAPC3216X18N 6362.5,2650 r270 top
C5014 "100n/50V" CAPC1005X06N 6293.75,2650 r270 top
C5015 "100n/50V" CAPC1005X06N 5362.5,3193.75 r270 top
C5016 "22u/10V" CAPC3216X18N 5268.75,2175 r0 top
C5017 "22u/10V" CAPC3216X18N 6225,2650 r90 top locked
C5018 "22u/10V" CAPC3216X18N 6106.25,3100 r180 top
C5019 "22u/10V" CAPC3216X18N 6325,2268.75 r90 top
C5020 "22u/10V" CAPC3216X18N 5181.25,3043.75 r270 top
C5021 "100n/50V" CAPC1005X06N 5250,3043.75 r270 top
C5022 "100n/50V" CAPC1005X06N 5293.75,3043.75 r270 top
C5023 "100n/50V" CAPC1005X06N 6212.5,2268.75 r90 top
C5024 "100n/50V" CAPC1005X06N 5268.75,2243.75 r0 top
C5025 "100n/50V" CAPC1005X06N 5268.75,2287.5 r0 top
C5026 "100n/50V" CAPC1005X06N 6106.25,3031.25 r180 top
C5027 "100n/50V" CAPC1005X06N 6106.25,2987.5 r180 top
C5028 "100n/50V" CAPC1005X06N 6256.25,2268.75 r90 top
C6100 "100n/50V" CAPC1005X06N 6462.5,2625 r270 top
C6101 "100n/50V" CAPC1005X06N 5887.5,1443.75 r270 top
C6200 "1u/50V" CAPC1608X08N 5337.5,4050 r180 top
C6201 "100n/50V" CAPC1005X06N 5337.5,3993.75 r180 top
C6202 "100n/50V" CAPC1005X06N 5593.75,3731.25 r90 top
C6203 "1u/50V" CAPC1608X08N 4787.5,3725 r0 top
C6204 "100n/50V" CAPC1005X06N 4787.5,3668.75 r0 top
C6205 "1u/50V" CAPC1608X08N 4781.25,4100 r0 top
C6206 "100n/50V" CAPC1005X06N 4781.25,4043.75 r0 top
C6300_1 "1u/50V" CAPC1608X08N 2906.25,1218.75 r90 top (schematic designator C6300)
C6300_2 "1u/50V" CAPC1608X08N 3312.5,3681.25 r0 top (schematic designator C6300)
C6300_3 "1u/50V" CAPC1608X08N 4187.5,3681.25 r0 top (schematic designator C6300)
C6301_1 "100n/50V" CAPC1005X06N 2956.25,1218.75 r90 top (schematic designator C6301)
C6301_2 "100n/50V" CAPC1005X06N 3312.5,3631.25 r0 top (schematic designator C6301)
C6301_3 "100n/50V" CAPC1005X06N 4187.5,3631.25 r0 top (schematic designator C6301)
C6400 "100n/50V" CAPC1005X06N 2112.5,3475 r0 top
C6401 "100n/50V" CAPC1005X06N 2287.5,3468.75 r180 top
C6402 "10u/16V" CAPC2012X14N 2112.5,3537.5 r0 top
C6403 "100n/50V" CAPC1005X06N 2287.5,3418.75 r180 top locked
C6500 "100n/50V" CAPC1005X06N 2637.5,3268.75 r270 top
C6600 "100n/50V" CAPC1005X06N 6900,2287.5 r180 top
C6601 "47n/50V" CAPC1005X06N 6712.5,2125 r90 top locked
C6602 "22n/50V" CAPC1005X06N 6756.25,2125 r90 top locked
C6603 "27p/50V" CAPC1608X08N 7068.75,2125 r90 top
C6604 "22n/50V" CAPC1005X06N 6731.25,2200 r0 top
C6605 "100n/50V" CAPC1005X06N 6750,1981.25 r270 top
C6606 "1u/50V" CAPC1608X08N 7056.25,2000 r270 top
C7000 "100n/100V" CAPC1608X08N 931.25,575 r90 top
C7001 "10n/25V" CAPC1005X06N 5275,3193.75 r270 top
C7100 "22u/25V" CAPC3225X25N 1087.5,2993.75 r0 top
C7101 "22u/25V" CAPC3225X25N 1087.5,2862.5 r0 top
C7102 "22u/25V" CAPC3225X25N 1087.5,3125 r0 top
C7103 "22u/25V" CAPC3225X25N 1087.5,2731.25 r0 top
C7104 "22u/25V" CAPC3225X25N 1087.5,3256.25 r0 top
C7105 "10u/100V" CAPC5750X28N 318.75,3206.25 r180 top
C7106 "10u/100V" CAPC5750X28N 318.75,2968.75 r180 top
C7107 "10u/100V" CAPC5750X28N 318.75,2493.75 r180 top
C7108 "10u/100V" CAPC5750X28N 318.75,2731.25 r180 top
C7109 "100n/100V" CAPC1608X08N 537.5,2525 r90 top
C7110 "1u/50V" CAPC1608X08N 925,2575 r0 top
C7111 "100n/100V" CAPC1608X08N 581.25,2975 r180 top
C7112 "47p/50V" CAPC1005X06N 956.25,2975 r180 top locked
C7113 "100n/50V" CAPC1005X06N 731.25,2562.5 r270 top locked
C7114 "100n/50V" CAPC1005X06N 662.5,2975 r90 top locked
C7115 "100n/100V" CAPC1608X08N 812.5,2975 r0 top
C7116 "1u/50V" CAPC1608X08N 712.5,2987.5 r90 top
C7117 "47n/50V" CAPC1005X06N 656.25,2562.5 r90 top locked
C7118 "150p/50V" CAPC1005X06N 693.75,2487.5 r90 top locked
C7119 "150p/50V" CAPC1005X06N 775,2562.5 r90 top
C7120 "5n6/50V" CAPC1608X08N 775,2456.25 r270 top
C7200 "8n2/50V" CAPC1608X08N 3943.75,2300 r0 top locked
C7201 "150p/50V" CAPC1005X06N 3850,2343.75 r0 top
C7202 "5n1/50V" CAPC1608X08N 2362.5,2300 r0 top locked
C7203 "100p/200V" CAPC1005X06N 2268.75,2343.75 r0 top
C7205_1 "33µF/100V" ELECTROLYTIC_CAP_PANASONIC_G 3243.75,2862.5 r180 top (schematic designator C7205)
C7205_2 "33µF/100V" ELECTROLYTIC_CAP_PANASONIC_G 1662.5,2862.5 r180 top (schematic designator C7205)
C7206_1 "100n/100V" CAPC1608X08N 3637.5,2375 r270 top (schematic designator C7206)
C7206_2 "100n/100V" CAPC1608X08N 2056.25,2375 r270 top (schematic designator C7206)
C7207_1 "10u/100V" CAPC5750X28N 3643.75,2943.75 r270 top (schematic designator C7207)
C7207_2 "10u/100V" CAPC5750X28N 2062.5,2943.75 r270 top (schematic designator C7207)
C7208_1 "10u/100V" CAPC5750X28N 4356.25,2943.75 r270 top (schematic designator C7208)
C7208_2 "10u/100V" CAPC5750X28N 2775,2943.75 r270 top (schematic designator C7208)
C7209_1 "10u/100V" CAPC5750X28N 4118.75,2943.75 r270 top (schematic designator C7209)
C7209_2 "10u/100V" CAPC5750X28N 2537.5,2943.75 r270 top (schematic designator C7209)
C7210_1 "22u/10V" CAPC3216X18N 3556.25,2543.75 r90 top (schematic designator C7210)
C7210_2 "22u/10V" CAPC3216X18N 1975,2543.75 r90 top (schematic designator C7210)
C7211_1 "22u/10V" CAPC3216X18N 3462.5,2543.75 r90 top (schematic designator C7211)
C7211_2 "22u/10V" CAPC3216X18N 1881.25,2543.75 r90 top (schematic designator C7211)
C7212_1 "22u/10V" CAPC3216X18N 3368.75,2543.75 r90 top (schematic designator C7212)
C7212_2 "22u/10V" CAPC3216X18N 1787.5,2543.75 r90 top (schematic designator C7212)
C7213_1 "100n/50V" CAPC1005X06N 3625,2493.75 r90 top (schematic designator C7213)
C7213_2 "100n/50V" CAPC1005X06N 2043.75,2493.75 r90 top (schematic designator C7213)
C7214_1 "47n/50V" CAPC1005X06N 3618.75,2275 r0 top locked (schematic designator C7214)
C7214_2 "47n/50V" CAPC1005X06N 2037.5,2275 r0 top locked (schematic designator C7214)
C7215_1 "100n/50V" CAPC1005X06N 3887.5,2137.5 r270 top (schematic designator C7215)
C7215_2 "100n/50V" CAPC1005X06N 2306.25,2137.5 r270 top (schematic designator C7215)
C7216_1 "10u/16V" CAPC2012X14N 3956.25,2143.75 r270 top (schematic designator C7216)
C7216_2 "10u/16V" CAPC2012X14N 2375,2143.75 r270 top (schematic designator C7216)
C7217_1 "47n/100V" CAPC1608X08N 3018.75,2575 r0 top (schematic designator C7217)
C7217_2 "47n/100V" CAPC1608X08N 1437.5,2575 r0 top (schematic designator C7217)
C7218_1 "100n/100V" CAPC1608X08N 3206.25,2575 r180 top locked (schematic designator C7218)